# Altium PCB PCB.PcbDoc (part 4 of 10) (continued)
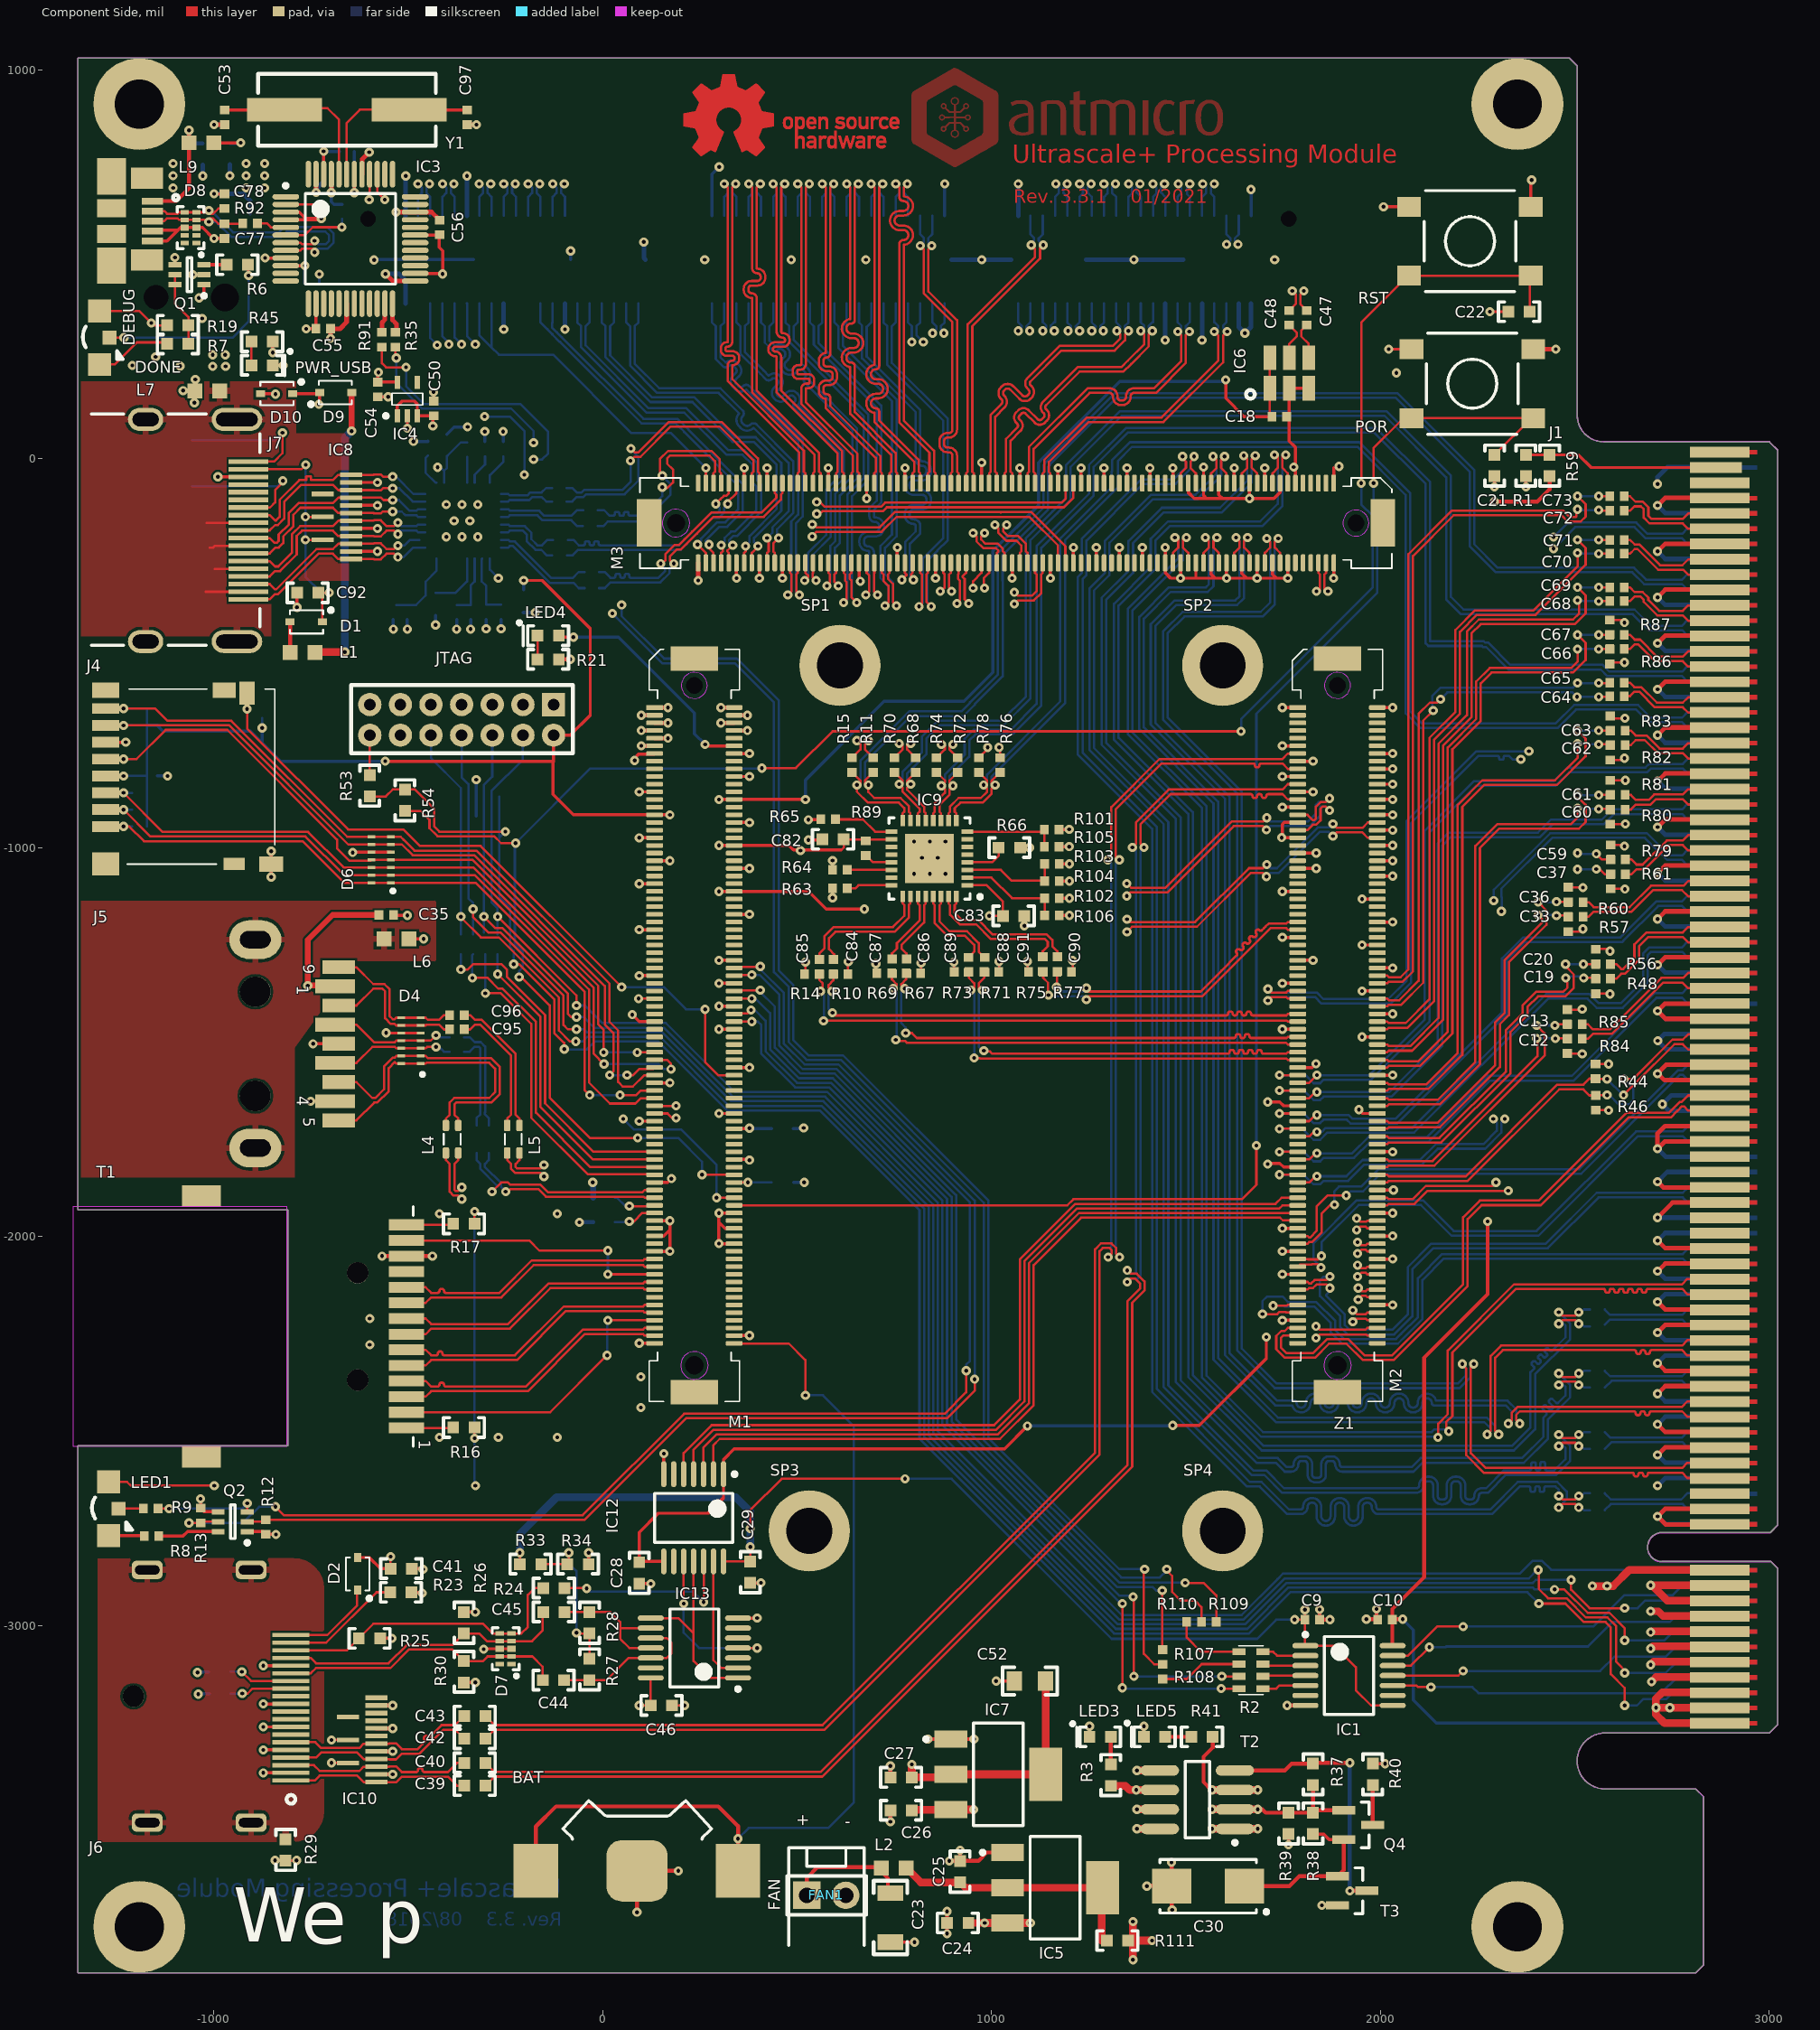
[diagram p0: Component Side view]
## Nets (pads, with @x,y where several pads share a name; then routed paths per layer and width w, separated by ;. In a path a pad name is that pad's centre, name@x,y a point inside that pad or via, vN(x,y) a via of type N, cw(c..) or ccw(c..) an arc to the next point about the centre after c; other vN are vias at no path point) (continued)
  other v1: -539.37,-3381.89 -872.05,-3377.95 -872.05,-3318.9 -539.37,-3263.78 -872.05,-3259.84 -539.37,-3204.72 -872.05,-3102.36 2582.68,-2897.64 -419.29,-2515.75 -267.72,-2515.75 -116.14,-2515.75 98.43,-2438.98 98.43,-2360.24 -598.43,-2277.56 -598.43,-2210.24 -419.29,-1940.94 -116.14,-1940.94 1710.15,-1812.99 378,-1803 517,-1720 2712.6,-1580.71 -460,-1234.25 801.18,-1066.93 841.54,-1066.93 881.89,-1066.93 821.36,-1025.59 861.71,-1025.59 801.18,-984.25 841.54,-984.25 881.89,-984.25 1746,-974 663.02,-314.96 -401.57,-200.79 -361.22,-200.79 -320.87,-200.79 -381.4,-159.45 -341.04,-159.45 -401.57,-118.11 -361.22,-118.11 -320.87,-118.11 1777.16,-21.65 1893.7,-19.69 2041.34,220.47 -1029.53,360.24 262.97,511.58 485.24,511.55 677.17,511.55 1728.35,511.55 -1104,696 -916,696 -868.41,696 -348.43,726.96 -1104,727.5 -916,727.5 -868.41,727.5 -1104,759 -916,759 -868.41,759
GT0_DP_TX_C_N: C43.2 IC10.6 J6.6 | length 509
  Component Side w5.91: J6.6@-801.18,-3299.21 -738.19,-3299.21 -723.43,-3313.98 -625.02,-3313.98 -614.19,-3303.15 IC10.6@-581.69,-3303.15 -548.92,-3303.15 -547.93,-3302.17 -530.81,-3302.17 -516.04,-3316.93 -475.36,-3316.93 -471.19,-3312.75 -462.84,-3304.4 -457.8,-3299.36 ccw(c-461.11,-3296.05) -457.8,-3292.74 cw(c-454.04,-3288.98) -457.8,-3285.22 -456.96,-3284.39 cw(c-453.2,-3288.14) -449.45,-3284.39 ccw(c-446.13,-3281.07) -442.82,-3284.39 -439.45,-3281.02 -413.63,-3255.19 -379.19,-3255.19 C43.2@-355.93,-3231.93
GT0_DP_TX_C_P: C42.2 IC10.4 J6.4 | length 499.2
  Component Side w5.91: J6.4@-801.18,-3338.58 -736.22,-3338.58 -723.43,-3325.79 -630.92,-3325.79 -614.19,-3342.52 IC10.4@-581.69,-3342.52 -548.92,-3342.52 -547.93,-3343.5 -530.81,-3343.5 -516.04,-3328.74 -470.47,-3328.74 -408.73,-3267 -379.19,-3267 C42.2@-355.93,-3290.26
GT0_DP_TX_N: C43.1 M2.17 | length 4188.4
  Component Side w5.91: C43.1@-300.93,-3231.93 -277.66,-3255.19 565.81,-3255.19 1266.19,-2554.81 1266.19,-2032.11 1281.11,-2017.19 1308.75,-2017.19 1320.67,-2029.11 1320.67,-2043.14 v1(1329.53,-2052) ; v1@1319.88,-1027.06 1323.82,-1031 v1(1328.74,-1031) 1319.88,-1022.14 1319.88,-900.59 1437.01,-783.46 1673.23,-783.46 cw(c1673.23,-787.4) 1677.17,-787.4 1677.17,-788.15 ccw(c1682.48,-788.15) 1682.48,-793.46 1683.66,-793.46 ccw(c1683.66,-788.15) 1688.98,-788.15 cw(c1693.66,-788.15) 1693.66,-783.46 1748.01,-783.46 1761.79,-797.24 M2.17@1787.4,-797.24
  Solder Side w5.91: v1(1328.74,-1031) 1319.88,-1039.86 1319.88,-1937.33 1319.88,-2042.35 v1(1329.53,-2052)
GT0_DP_TX_P: C42.1 M2.13 | length 4165.6
  Component Side w5.91: C42.1@-300.93,-3290.26 -277.66,-3267 570.7,-3267 1278,-2559.7 1278,-2037 1286,-2029 1303.86,-2029 1308.86,-2034 1308.86,-2043.14 v1(1300,-2052) ; v1(1299.21,-1031) 1308.07,-1022.14 1308.07,-895.7 1432.12,-771.65 1748.01,-771.65 1761.79,-757.87 M2.13@1787.4,-757.87
  Solder Side w5.91: v1(1299.21,-1031) 1308.07,-1039.86 1308.07,-1932.44 1308.07,-2043.93 v1(1300,-2052)
GT1_DP_TX_C_N: C40.2 IC10.3 J6.3 | length 483.5
  Component Side w5.91: J6.3@-801.18,-3358.27 -742.13,-3358.27 -727.36,-3373.03 -625.02,-3373.03 -614.19,-3362.2 IC10.3@-581.69,-3362.2 -548.92,-3362.2 -547.93,-3361.22 -530.81,-3361.22 -516.04,-3375.98 -480.32,-3375.98 -479.09,-3375.98 ccw(c-479.09,-3371.3) -474.41,-3371.3 cw(c-469.09,-3371.3) -469.09,-3365.98 -467.91,-3365.98 cw(c-467.91,-3371.3) -462.6,-3371.3 ccw(c-457.91,-3371.3) -457.91,-3375.98 -431.1,-3375.98 -397.49,-3375.98 -374.04,-3352.53 C40.2@-355.93,-3352.53
GT1_DP_TX_C_P: C39.2 IC10.1 J6.1 | length 473.6
  Component Side w5.91: J6.1@-801.18,-3397.64 -740.16,-3397.64 -727.36,-3384.84 -630.92,-3384.84 -614.19,-3401.57 IC10.1@-581.69,-3401.57 -548.92,-3401.57 -547.93,-3402.56 -530.81,-3402.56 -516.04,-3387.8 -397.11,-3387.8 -374.04,-3410.87 C39.2@-355.93,-3410.87
GT1_DP_TX_N: C40.1 M2.25 | length 4182.4
  Component Side w5.91: C40.1@-300.93,-3352.53 -277.66,-3375.79 560.21,-3375.79 1350,-2586 1350,-2165.14 1381.89,-2133.25 1381.89,-2119.89 1369,-2107 1357,-2107 1349,-2115 v1(1349,-2115.86) ; v1(1392,-999) 1383.14,-990.14 1383.14,-939.86 1460.8,-862.2 1666.57,-862.2 cw(c1666.57,-866.89) 1671.26,-866.89 ccw(c1676.57,-866.89) 1676.57,-872.2 1677.76,-872.2 ccw(c1677.76,-866.89) 1683.07,-866.89 cw(c1687.76,-866.89) 1687.76,-862.2 1690.2,-862.2 cw(c1690.2,-866.89) 1694.88,-866.89 ccw(c1700.2,-866.89) 1700.2,-872.2 1701.38,-872.2 ccw(c1701.38,-866.89) 1706.69,-866.89 cw(c1711.38,-866.89) 1711.38,-862.2 1748.01,-862.2 1761.79,-875.98 M2.25@1787.4,-875.98
  Solder Side w5.91: v1(1349,-2115.86) 1357.86,-2107 1375.89,-2107 1383.14,-2099.75 1383.14,-2094.86 1383.14,-1960 1383.14,-1007.86 v1(1392,-999)
GT1_DP_TX_P: C39.1 M2.21 | length 4198.7
  Component Side w5.91: C39.1@-300.93,-3410.87 -277.66,-3387.6 565.1,-3387.6 1361.81,-2590.89 1361.81,-2170.03 1393.7,-2138.14 1393.7,-2115 1373.89,-2095.19 1357,-2095.19 1349,-2087.19 v1(1349,-2086.33) ; v1(1362.47,-999) 1371.33,-990.14 1371.33,-934.97 1455.9,-850.39 1748.01,-850.39 1761.79,-836.61 M2.21@1787.4,-836.61
  Solder Side w5.91: v1(1349,-2086.33) 1357.86,-2095.19 1371,-2095.19 1371.33,-2094.86 1371.33,-1960 1371.33,-1007.86 v1(1362.47,-999)
HDMI_OUT_CLK_N: IC2.16 IC8.12 J7.12 | length 567.7
  Component Side w5.91: J7.12@-910.08,-145.09 -855.67,-145.09 -841.89,-158.87 -839.52,-158.87 -830.05,-149.4 -830.05,-105.64 -779.53,-55.12 -762.99,-55.12 ccw(c-762.99,-53.94) -761.81,-53.94 -761.81,-46.3 cw(c-760.63,-46.3) -760.63,-45.12 -751.18,-45.12 cw(c-751.18,-46.3) -750,-46.3 -750,-53.94 ccw(c-748.82,-53.94) -748.82,-55.12 -692.93,-55.12 -679.15,-41.34 IC8.12@-646.65,-41.34 -588.29,-41.34 -587.3,-40.35 -570.18,-40.35 -564.27,-46.26 v1@-545.28,-46.26
  Solder Side w5.91: v1(-539.37,-46.26) -530.51,-46.26 -486.22,-90.55 IC2.16@-455.71,-90.55
HDMI_OUT_CLK_P: IC2.15 IC8.10 J7.10 | length 551.5
  Component Side w5.91: J7.10@-910.08,-184.46 -855.67,-184.46 -841.89,-170.69 -834.63,-170.69 -818.24,-154.3 -818.24,-110.54 -774.64,-66.93 -692.93,-66.93 -679.15,-80.71 IC8.10@-646.65,-80.71 -588.29,-80.71 -587.3,-81.69 -570.18,-81.69 -564.27,-75.79 v1@-545.28,-75.79
  Solder Side w5.91: v1@-545.28,-75.79 v1(-539.37,-75.79) -522.64,-75.79 -488.19,-110.24 IC2.15@-455.71,-110.24
HDMI_OUT_D0_N: IC2.14 IC8.9 J7.9 | length 550.5
  Component Side w5.91: J7.9@-910.08,-204.15 -855.67,-204.15 -843.56,-216.26 -837.82,-216.26 -832.62,-211.06 -832.62,-194.88 -806.43,-168.69 -806.43,-139.11 -781.5,-114.17 -692.93,-114.17 -679.15,-100.39 IC8.9@-646.65,-100.39 -588.29,-100.39 -587.3,-99.41 -570.18,-99.41 -563.29,-106.3 v1(-539.37,-106.3) v1@-532.15,-106.3
  Solder Side w5.91: v1@-532.15,-106.3 -523.62,-106.3 -496.06,-133.86 -478.37,-133.86 -474.43,-129.92 IC2.14@-455.71,-129.92
HDMI_OUT_D0_P: IC2.13 IC8.7 J7.7 | length 544.2
  Component Side w5.91: J7.7@-910.08,-243.52 -855.67,-243.52 -840.62,-228.47 -832.53,-228.47 -820.81,-216.75 -820.81,-199.78 -794.62,-173.59 -794.62,-144 -776.6,-125.98 -692.93,-125.98 -679.15,-139.76 IC8.7@-646.65,-139.76 -588.29,-139.76 -587.3,-140.75 -570.18,-140.75 -565.26,-135.83 v1(-539.37,-135.83)
  Solder Side w5.91: v1(-539.37,-135.83) -516.23,-135.83 -506.38,-145.67 -478.37,-145.67 -474.43,-149.61 IC2.13@-455.71,-149.61
HDMI_OUT_D1_N: IC2.12 IC8.6 J7.6 | length 552.2
  Component Side w5.91: J7.6@-910.08,-263.2 -855.67,-263.2 -841.89,-276.98 -833.68,-276.98 -798,-241.31 -798,-193.67 -777.56,-173.23 -692.93,-173.23 -679.15,-159.45 IC8.6@-646.65,-159.45 -588.29,-159.45 -587.3,-158.46 -570.18,-158.46 -555.41,-173.23 -536.42,-173.23 -527.56,-164.37 v1(-526.15,-164.37)
  Solder Side w5.91: v1(-526.15,-164.37) -517.3,-173.23 -478.37,-173.23 -474.43,-169.29 IC2.12@-455.71,-169.29
HDMI_OUT_D1_P: IC2.11 IC8.4 J7.4 | length 552.2
  Component Side w5.91: J7.4@-910.08,-302.57 -855.67,-302.57 -841.89,-288.8 -828.78,-288.8 -786.19,-246.2 -786.19,-198.56 -772.67,-185.04 -692.93,-185.04 -679.15,-198.82 IC8.4@-646.65,-198.82 -588.29,-198.82 -587.3,-199.8 -570.18,-199.8 -555.42,-185.04 -536.42,-185.04 v1@-527.56,-193.9
  Solder Side w5.91: v1@-527.56,-193.9 -518.7,-185.04 -478.37,-185.04 -474.43,-188.98 IC2.11@-455.71,-188.98
  other v1: -526.15,-193.9
HDMI_OUT_D2_N: IC2.10 IC8.3 J7.3 | length 510.8
  Component Side w5.91: J7.3@-910.08,-322.26 -855.67,-322.26 -841.89,-336.04 -839,-336.04 -735.24,-232.28 -705.74,-232.28 -692.93,-232.28 -679.15,-218.5 IC8.3@-646.65,-218.5 -588.29,-218.5 -587.3,-217.52 -570.18,-217.52 -555.41,-232.28 -536.42,-232.28 v1@-527.56,-223.43
  Solder Side w5.91: v1@-526.86,-224.13 -527.56,-223.43 v1(-526.15,-223.43) -509.84,-223.43 -495.08,-208.66 -470.96,-208.66
HDMI_OUT_D2_P: IC2.9 IC8.1 J7.1 | length 528.7
  Component Side w5.91: J7.1@-910.08,-361.63 -855.67,-361.63 -841.89,-347.85 -834.11,-347.85 -730.35,-244.09 -710.63,-244.09 -692.93,-244.09 -679.15,-257.87 IC8.1@-646.65,-257.87 -588.29,-257.87 -587.3,-258.86 -570.18,-258.86 -555.42,-244.09 -536.42,-244.09 v1@-527.56,-252.95
  Solder Side w5.91: v1@-527.56,-252.95 v1@-526.86,-252.25 ; v1(-526.15,-252.95) -511.3,-252.95 -486.7,-228.35 IC2.9@-455.71,-228.35
JTAG_TCK: M1.123 RA1.7 | length 870.3
  Component Side w5.91: v1(-301.18,-1374.02) -261.81,-1374.02 -183.07,-1452.76 -183.07,-1694.19 -37.69,-1839.57 -33.8,-1839.57 -33.56,-1839.33 63.76,-1839.33 64,-1839.57 132.87,-1839.57 M1.123@133.86,-1840.55
  Solder Side w5.91: v1(-301.18,-1374.02) RA1.7@-301.18,-1273.62
JTAG_TDI: M1.117 RA1.5 | length 886.7
  Component Side w5.91: v1(-364.17,-1312.99) -346.46,-1312.99 -332.68,-1299.21 -259.84,-1299.21 -246.06,-1312.99 -246.06,-1331.72 -147.64,-1430.15 -147.64,-1656.91 -23.06,-1781.5 M1.117@133.86,-1781.5
  Solder Side w5.91: v1(-364.17,-1312.99) RA1.5@-364.17,-1273.62
JTAG_TDO: M1.121 RA1.6 | length 868.2
  Component Side w5.91: v1(-334.65,-1334.65) -295.28,-1334.65 -267.72,-1362.2 -256.92,-1362.2 -171.26,-1447.86 -171.26,-1680.74 -31.13,-1820.87 M1.121@133.86,-1820.87
  Solder Side w5.91: v1(-334.65,-1334.65) -334.65,-1275.59 RA1.6@-332.68,-1273.62
JTAG_TMS: M1.119 RA1.8 | length 787.7
  Component Side w5.91: v1(-269.69,-1324.8) -159.45,-1435.04 -159.45,-1666.55 -24.82,-1801.18 M1.119@133.86,-1801.18
  Solder Side w5.91: v1(-269.69,-1324.8) RA1.8@-269.69,-1273.62
LED1_G: M1.70 Q2.2 R12.2 | length 3447.2
  Component Side w5.91: Q2.2@-913.39,-2732.28 -871.26,-2732.28 R12.2@-866.14,-2727.17 -45.85,-2727.17 214.78,-2466.54 885.83,-2466.54 956.69,-2395.67 v1(956.69,-2366.14) ; M1.70@338.58,-1307.09 339.57,-1306.1 404.52,-1306.1 v1(405.51,-1305.12)
  Solder Side w5.91: v1(405.51,-1305.12) 405.51,-1312.04 466.54,-1373.06 466.54,-1503.88 519.74,-1557.09 607.02,-1557.09 956.69,-1906.76 v1(956.69,-2366.14)
LED1_R: M1.72 Q2.5 R13.2 | length 3646.7
  Component Side w5.91: v1(-1062.99,-2735.43) R13.2@-1033.46,-2735.43 -1030.32,-2732.28 Q2.5@-988.19,-2732.28 ; v1(-840.94,-2693.9) -819.49,-2715.35 -50.75,-2715.35 209.88,-2454.72 879.92,-2454.72 935.04,-2399.61 v1(935.04,-2344.49) ; M1.72@338.58,-1326.77 v1(383.86,-1326.77)
  Solder Side w5.91: v1(-1062.99,-2735.43) -924.41,-2735.43 -882.87,-2693.9 v1@-842.52,-2693.9 ; v1(383.86,-1326.77) 403.54,-1326.77 454.72,-1377.95 454.72,-1508.77 514.85,-1568.9 602.13,-1568.9 944.88,-1911.65 944.88,-2318.9 935.04,-2328.74 v1(935.04,-2344.49)
LVDS_CLK_S1_N: J2.19 M3.87 | length 771.3
  Component Side w5.91: M3.87@1033.46,-62.99 1033.46,-37.41 1037.4,-33.48 1037.4,51.1 1066.01,79.72 ccw(c1060.73,85.01) 1068.21,85.01 ccw(c1060.73,85.01) 1066.01,90.3 1064.07,92.25 cw(c1077.71,105.89) 1064.07,119.53 1068.8,124.26 cw(c1082.44,110.62) 1096.08,124.26 1118.91,101.43 ccw(c1124.2,106.72) 1129.49,101.43 1134.22,106.16 ccw(c1128.93,111.45) 1136.41,111.45 ccw(c1128.93,111.45) 1134.22,116.74 1132.27,118.69 cw(c1145.91,132.33) 1132.27,145.97 1221.71,235.41 1334.13,235.41 1350.67,251.95 1392.72,294 1392.72,319.88 v1(1383.86,328.74)
  Solder Side w5.91: v1(1383.86,328.74) 1392.72,337.6 1392.72,341.58 1383.92,350.38 J2.19@1383.92,399.02
LVDS_CLK_S1_P: J2.17 M3.85 | length 773.4
  Component Side w5.91: M3.85@1053.15,-62.99 1053.15,-37.41 1049.21,-33.48 1049.21,46.21 1074.37,71.37 ccw(c1060.73,85.01) 1080.02,85.01 ccw(c1060.73,85.01) 1074.37,98.65 1072.42,100.6 cw(c1077.71,105.89) 1072.42,111.18 1077.15,115.91 cw(c1082.44,110.62) 1087.73,115.91 1110.56,93.08 ccw(c1124.2,106.72) 1137.84,93.08 1142.57,97.81 ccw(c1128.93,111.45) 1148.22,111.45 ccw(c1128.93,111.45) 1142.57,125.1 1140.62,127.04 cw(c1145.91,132.33) 1140.62,137.62 1226.6,223.6 1339.02,223.6 1359.02,243.6 1404.53,289.11 1404.53,319.88 v1(1413.39,328.74)
  Solder Side w5.91: v1(1413.39,328.74) 1404.53,337.6 1404.53,341.58 1413.33,350.38 1415.41,350.38 J2.17@1415.41,399.02
LVDS_CLK_S2_N: J2.13 M3.81 | length 774.5
  Component Side w5.91: M3.81@1092.52,-62.99 1092.52,-38.02 1096.46,-34.08 1096.46,30.16 1247.3,181 1303.14,181 cw(c1303.14,160.04) 1324.1,160.04 1324.1,158.66 ccw(c1333.26,158.66) 1333.26,149.5 1336.6,149.5 ccw(c1336.6,158.66) 1345.76,158.66 1345.76,160.04 cw(c1366.72,160.04) 1366.72,181 1418,181 1488.09,251.09 1488.09,317.91 v1(1479,327)
  Solder Side w5.91: J2.13@1478.41,399.02 1478.41,350.98 1488.09,341.3 1488.09,336.09 v1(1479,327)
LVDS_CLK_S2_P: J2.11 M3.79 | length 774.7
  Component Side w5.91: M3.79@1112.2,-62.99 1112.2,-38.02 1108.27,-34.08 1108.27,25.27 1252.19,169.19 1303.14,169.19 cw(c1303.14,160.04) 1312.29,160.04 1312.29,158.66 ccw(c1333.26,158.66) 1333.26,137.69 1336.6,137.69 ccw(c1336.6,158.66) 1357.57,158.66 1357.57,160.04 cw(c1366.72,160.04) 1366.72,169.19 1422.89,169.19 1499.91,246.2 1499.91,317.91 v1(1509,327)
  Solder Side w5.91: v1(1509,327) 1499.91,336.09 1499.91,341 1509.89,350.98 J2.11@1509.9,399.02
LVDS_S1_CTRL_N: J2.78 M3.141 | length 987.2
  Component Side w5.91: v1(312.99,706.69) 321.85,697.83 321.85,300.87 cw(c320.67,300.87) 320.67,299.69 ccw(c320.67,283.15) 304.13,283.15 304.13,280.79 ccw(c320.67,280.79) 320.67,264.26 334.84,264.26 cw(c334.84,259.53) 339.57,259.53 339.57,257.17 cw(c334.84,257.17) 334.84,252.45 ccw(c334.84,239.45) 321.85,239.45 321.85,199.8 505.91,15.75 505.91,-33.48 501.97,-37.41 M3.141@501.97,-62.99
  Solder Side w5.91: J2.78@312.93,624.61 312.93,673.21 321.85,682.13 321.85,697.83 v1(312.99,706.69)
LVDS_S1_CTRL_P: J2.76 M3.139 | length 988
  Component Side w5.91: v1(342.52,706.69) 333.66,697.83 333.66,300.87 cw(c320.67,300.87) 320.67,287.88 ccw(c320.67,283.15) 315.94,283.15 315.94,280.79 ccw(c320.67,280.79) 320.67,276.07 334.84,276.07 cw(c334.84,259.53) 351.38,259.53 351.38,257.17 cw(c334.84,257.17) 334.84,240.64 ccw(c334.84,239.45) 333.66,239.45 333.66,204.7 517.72,20.64 517.72,-33.48 521.65,-37.41 M3.139@521.65,-62.99
  Solder Side w5.91: v1(342.52,706.69) 333.66,697.83 333.66,683.98 344.43,673.21 J2.76@344.43,624.61
LVDS_S1_D1_N: J2.75 M3.140 | length 986.7
  Component Side w5.91: v1(519.68,-312.99) 528.54,-304.13 528.54,-300.21 521.65,-293.32 M3.140@521.65,-267.72
  Solder Side w5.91: J2.75@344.43,399.02 344.43,350.38 351.36,343.45 354.27,340.54 354.27,269.74 405.76,218.26 419.26,204.75 ccw(c427.33,212.83) 435.41,204.75 cw(c441.25,198.91) 447.1,204.75 449.33,202.53 cw(c443.48,196.68) 451.75,196.68 cw(c443.48,196.68) 449.33,190.84 441.53,183.04 ccw(c455.73,168.84) 441.53,154.64 443.76,152.42 ccw(c457.96,166.62) 472.15,152.42 479.95,160.21 cw(c485.8,154.37) 491.64,160.21 493.87,157.99 cw(c488.02,152.14) 496.29,152.14 cw(c488.02,152.14) 493.87,146.29 ccw(c501.94,138.22) 493.87,130.15 608.27,15.75 608.27,-46.29 574.8,-79.75 574.8,-196.2 528.54,-242.46 528.54,-304.13 v1(519.68,-312.99)
LVDS_S1_D1_P: J2.73 M3.138 | length 992.9
  Component Side w5.91: v1@540.86,-306.61 v1@547.24,-312.99 ; M3.138@541.34,-267.72 541.34,-293.32 540.35,-294.3 540.35,-304.13 v1(549.21,-312.99)
  Solder Side w5.91: J2.73@375.92,399.02 375.92,350.38 366.08,340.54 366.08,274.64 414.11,226.61 427.34,213.38 cw(c441.25,198.91) 455.45,213.11 457.68,210.88 cw(c443.48,196.68) 463.56,196.68 cw(c443.48,196.68) 457.68,182.48 449.88,174.69 ccw(c455.73,168.84) 449.88,163 452.11,160.77 ccw(c457.96,166.62) 463.8,160.77 471.6,168.56 cw(c485.8,154.37) 499.99,168.56 502.22,166.34 cw(c488.02,152.14) 508.1,152.14 cw(c488.02,152.14) 502.5,138.22 620.08,20.64 620.08,-51.18 586.61,-84.65 586.61,-201.09 540.35,-247.35 540.35,-304.13 v1(549.21,-312.99)
LVDS_S1_D2_N: J2.74 M3.137 | length 986.7
  Component Side w5.91: v1(375.98,706.69) 384.84,697.83 384.84,489.95 ccw(c398.23,489.95) 398.23,476.56 cw(c398.23,468.29) 406.5,468.29 406.5,465.14 cw(c398.23,465.14) 398.23,456.88 383.27,456.88 ccw(c383.27,436.8) 363.19,436.8 363.19,433.65 ccw(c383.27,433.65) 383.27,413.57 cw(c383.27,411.99) 384.84,411.99 384.84,170.22 545.28,9.78 545.28,-33.48 541.34,-37.41 M3.137@541.34,-62.99
  Solder Side w5.91: J2.74@375.92,624.61 375.92,673.21 384.84,682.13 384.84,697.83 v1(375.98,706.69)
LVDS_S1_D2_P: J2.72 M3.135 | length 987.5
  Component Side w5.91: v1(405.51,706.69) 396.65,697.83 396.65,489.95 ccw(c398.23,489.95) 398.23,488.37 cw(c398.23,468.29) 418.31,468.29 418.31,465.14 cw(c398.23,465.14) 398.23,445.06 383.27,445.06 ccw(c383.27,436.8) 375,436.8 375,433.65 ccw(c383.27,433.65) 383.27,425.38 cw(c383.27,411.99) 396.65,411.99 396.65,175.11 557.09,14.68 557.09,-33.48 561.02,-37.41 M3.135@561.02,-62.99
  Solder Side w5.91: v1(405.51,706.69) 396.65,697.83 396.65,683.98 407.42,673.21 J2.72@407.42,624.61
LVDS_S1_D3_N: J2.83 M3.150 | length 984.2
  Component Side w5.91: v1(423.17,-203.77) 427.17,-207.77 427.17,-238.2 423.23,-242.14 M3.150@423.23,-267.72
  Solder Side w5.91: J2.83@60.96,399.02 60.96,350.38 70.81,340.54 70.81,239.26 140.78,169.29 298.26,169.29 351.12,116.43 ccw(c369.06,99.74) 351.73,82.41 354.66,79.49 ; 354.66,79.49 ccw(c371.99,96.82) 388.68,78.87 478.35,-10.8 478.35,-134.87 437.01,-176.21 437.01,-189.93 v1(423.17,-203.77)
LVDS_S1_D3_P: J2.81 M3.148 | length 984.9
  Component Side w5.91: M3.148@442.91,-267.72 442.91,-242.14 438.98,-238.2 438.98,-217.55 v1(452.76,-203.77)
  Solder Side w5.91: J2.81@92.46,399.02 92.46,350.38 82.62,340.54 82.62,244.15 145.67,181.1 303.15,181.1 360.09,124.16 ; 360.08,124.17 cw(c352.36,116.44) 363.28,116.44 cw(c352.36,116.44) 360.08,108.72 ccw(c369.06,99.74) 360.08,90.76 363.01,87.84 ccw(c371.99,96.82) 380.96,87.84 cw(c388.69,80.11) 396.41,87.84 490.16,-5.91 490.16,-139.76 448.82,-181.1 448.82,-199.83 v1(452.76,-203.77)
LVDS_S1_D4_N: J2.79 M3.144 | length 989
  Component Side w5.91: v1(476.38,-350.39) 486.22,-340.55 486.22,-297.26 482.28,-293.32 M3.144@482.28,-267.72
  Solder Side w5.91: J2.79@281.44,399.02 281.44,350.38 291.28,340.54 291.28,255.96 309.16,238.09 ccw(c316.67,245.61) 324.19,238.09 cw(c330.59,231.69) 336.99,238.09 342.28,232.8 cw(c335.88,226.4) 344.94,226.4 cw(c335.88,226.4) 342.28,219.99 335.6,213.31 ccw(c350.36,198.56) 335.6,183.8 340.89,178.51 ccw(c355.65,193.27) 369.54,177.7 502.91,44.34 502.91,-143.72 485.24,-161.39 485.24,-341.54 v1(476.38,-350.39)
LVDS_S1_D4_P: J2.77 M3.142 | length 980.6
  Component Side w5.91: M3.142@501.97,-267.72 501.97,-293.32 498.03,-297.26 498.03,-342.52 v1(505.91,-350.39)
  Solder Side w5.91: J2.77@312.93,399.02 312.93,350.38 303.09,340.54 303.09,260.86 316.7,247.25 cw(c330.59,231.69) 345.35,246.44 350.64,241.15 cw(c335.88,226.4) 356.75,226.4 cw(c335.88,226.4) 350.64,211.64 343.95,204.96 ccw(c350.36,198.56) 343.95,192.15 349.24,186.87 ccw(c355.65,193.27) 362.05,186.87 cw(c369.57,179.35) 377.08,186.87 514.72,49.23 514.72,-148.61 497.05,-166.28 v1@497.05,-346.43
LVDS_S1_D5_N: J2.70 M3.131 | length 987.1
  Component Side w5.91: v1(438.98,706.69) 447.83,697.83 447.83,326.77 ccw(c463.58,326.77) 463.58,311.02 cw(c463.58,305.12) 469.49,305.12 cw(c463.58,305.12) 463.58,299.21 443.9,299.21 ccw(c443.9,281.5) 426.18,281.5 ccw(c443.9,281.5) 443.9,263.78 cw(c443.9,259.84) 447.83,259.84 447.83,170.28 604.33,13.78 604.33,-33.48 600.39,-37.41 M3.131@600.39,-62.99
  Solder Side w5.91: J2.70@438.92,624.61 438.92,673.21 447.83,682.13 447.83,697.83 v1(438.98,706.69)
LVDS_S1_D5_P: J2.68 M3.129 | length 987.9
  Component Side w5.91: v1(468.5,706.69) 459.65,697.83 459.65,326.77 ccw(c463.58,326.77) 463.58,322.83 cw(c463.58,305.12) 481.3,305.12 cw(c463.58,305.12) 463.58,287.4 443.9,287.4 ccw(c443.9,281.5) 437.99,281.5 ccw(c443.9,281.5) 443.9,275.59 cw(c443.9,259.84) 459.65,259.84 459.65,175.17 616.14,18.67 616.14,-33.48 620.08,-37.41 M3.129@620.08,-62.99
  Solder Side w5.91: v1(468.5,706.69) 459.65,697.83 459.65,683.98 470.41,673.21 J2.68@470.41,624.61
LVDS_S1_D6_N: J2.63 M3.124 | length 986.9
  Component Side w5.91: v1(677.17,-350.39) 686.02,-341.54 686.02,-300.21 679.13,-293.32 M3.124@679.13,-267.72
  Solder Side w5.91: J2.63@533.41,399.02 533.41,350.38 543.25,340.54 543.25,293.37 704.72,131.89 704.72,-107.96 686.02,-126.66 686.02,-147.91 ccw(c700.69,-147.91) 700.69,-162.57 cw(c700.69,-173.5) 711.61,-173.5 711.61,-177.24 cw(c700.69,-177.24) 700.69,-188.16 683.17,-188.16 ccw(c683.17,-210.9) 660.43,-210.9 660.43,-214.64 ccw(c683.17,-214.64) 683.17,-237.38 cw(c683.17,-240.23) 686.02,-240.23 686.02,-341.54 v1(677.17,-350.39)
LVDS_S1_D6_P: J2.61 M3.122 | length 984.5
  Component Side w5.91: M3.122@698.82,-267.72 698.82,-293.32 697.83,-294.3 697.83,-341.54 v1(706.69,-350.39)
  Solder Side w5.91: J2.61@564.9,399.02 564.9,350.38 555.06,340.54 555.06,298.26 716.54,136.78 716.54,-112.85 697.83,-131.56 697.83,-147.91 ccw(c700.69,-147.91) 700.69,-150.76 cw(c700.69,-173.5) 723.43,-173.5 723.43,-177.24 cw(c700.69,-177.24) 700.69,-199.98 683.17,-199.98 ccw(c683.17,-210.9) 672.24,-210.9 672.24,-214.64 ccw(c683.17,-214.64) 683.17,-225.57 cw(c683.17,-240.23) 697.83,-240.23 697.83,-341.54 v1(706.69,-350.39)
LVDS_S1_D7_N: J2.71 M3.134 | length 986.5
  Component Side w5.91: v1(576.77,-326.77) 584.65,-318.9 584.65,-297.26 580.71,-293.32 M3.134@580.71,-267.72
  Solder Side w5.91: J2.71@407.42,399.02 407.42,350.38 417.26,340.54 417.26,298.32 436.46,279.12 ccw(c442.66,285.31) 448.85,279.12 cw(c456.58,271.39) 464.3,279.12 466.95,276.47 cw(c459.22,268.75) 470.15,268.75 cw(c459.22,268.75) 466.95,261.02 462.91,256.99 ccw(c478.99,240.91) 462.91,224.83 465.55,222.19 ccw(c481.63,238.27) 497.71,222.19 501.74,226.22 cw(c509.47,218.5) 517.19,226.22 519.84,223.58 cw(c512.11,215.85) 523.04,215.85 cw(c512.11,215.85) 519.84,208.13 ccw(c526.03,201.94) 519.84,195.74 642.29,73.29 642.29,-45.67 598.43,-89.54 598.43,-211.57 585.63,-224.37 585.63,-317.91 v1(576.77,-326.77)
LVDS_S1_D7_P: J2.69 M3.132 | length 985.1
  Component Side w5.91: M3.132@600.39,-267.72 600.39,-293.32 596.46,-297.26 596.46,-316.93 v1(606.3,-326.77)
  Solder Side w5.91: J2.69@438.92,399.02 438.92,350.38 429.07,340.54 429.07,303.21 442.8,289.48 cw(c456.58,271.39) 472.65,287.47 475.3,284.83 cw(c459.22,268.75) 481.96,268.75 cw(c459.22,268.75) 475.3,252.67 471.26,248.64 ccw(c478.99,240.91) 471.26,233.18 473.91,230.54 ccw(c481.63,238.27) 489.36,230.54 493.39,234.58 cw(c509.47,218.5) 525.55,234.58 528.19,231.93 cw(c512.11,215.85) 534.85,215.85 cw(c512.11,215.85) 530.2,202.08 654.11,78.18 654.11,-50.56 610.24,-94.43 610.24,-216.47 597.44,-229.26 597.44,-317.91 v1(606.3,-326.77)
LVDS_S1_D8_N: J2.87 M3.156 | length 983.4
  Component Side w5.91: M3.156@364.17,-267.72 364.17,-242.14 368.11,-238.2 v1(368.11,-224.41)
  Solder Side w5.91: J2.87@-2.03,399.02 -2.03,350.38 7.81,340.54 7.81,260.92 123.06,145.67 231.33,145.67 333.69,43.31 388.81,43.31 447.83,-15.72 447.83,-128.88 377.95,-198.76 377.95,-214.57 v1(368.11,-224.41)
LVDS_S1_D8_P: J2.85 M3.154 | length 991.2
  Component Side w5.91: M3.154@383.86,-267.72 383.86,-242.14 399.61,-226.39 v1(399.61,-224.41) v1@396.69,-224.41
  Solder Side w5.91: J2.85@29.47,399.02 29.47,350.38 19.63,340.54 19.63,265.81 127.95,157.48 236.22,157.48 338.58,55.12 393.7,55.12 459.65,-10.83 459.65,-133.77 389.76,-203.65 389.76,-214.57 v1(399.61,-224.41)
LVDS_S1_D9_N: J2.51 M3.110 | length 985
  Component Side w5.91: v1(813.92,-379.92) 820.87,-372.97 820.87,-297.26 816.93,-293.32 M3.110@816.93,-267.72
  Solder Side w5.91: J2.51@722.38,399.02 722.38,350.38 732.22,340.54 732.22,241.23 875.98,97.47 875.98,-204.2 823.32,-256.87 823.32,-370.52 v1(813.92,-379.92)
LVDS_S1_D9_P: J2.49 M3.108 | length 987.3
  Component Side w5.91: M3.108@836.61,-267.72 836.61,-293.32 832.68,-297.26 832.68,-367.19 v1(845.41,-379.92)
  Solder Side w5.91: J2.49@753.88,399.02 753.88,350.38 744.03,340.54 744.03,246.12 887.8,102.36 887.8,-209.1 860.29,-236.6 860.29,-237.6 835.63,-262.26 835.63,-370.14 v1(845.41,-379.92)
LVDS_S1_D10_N: J2.67 M3.130 | length 982.4
  Component Side w5.91: v1(620.08,-370.08) 627.95,-362.2 627.95,-317.88 624.02,-313.95 624.02,-297.26 620.08,-293.32 M3.130@620.08,-267.72
  Solder Side w5.91: J2.67@470.41,399.02 470.41,350.38 480.26,340.54 480.26,300.29 671.26,109.28 671.26,-50.11 629.92,-91.45 629.92,-360.24 v1(620.08,-370.08)
LVDS_S1_D10_P: J2.65 M3.128 | length 985.6
  Component Side w5.91: M3.128@639.76,-267.72 639.76,-293.32 635.83,-297.26 635.83,-309.06 639.76,-312.99 639.76,-356.3 v1(653.54,-370.08)
  Solder Side w5.91: J2.65@501.91,399.02 501.91,350.38 492.07,340.54 492.07,305.18 683.07,114.17 683.07,-55 641.73,-96.34 641.73,-358.27 v1(653.54,-370.08)
LVDS_S1_D11_N: J2.59 M3.120 | length 983.4
  Component Side w5.91: M3.120@718.5,-267.72 718.5,-293.32 722.44,-297.26 722.44,-313.95 735.24,-326.74 735.24,-369.09 v1(726.38,-377.95)
  Solder Side w5.91: J2.59@596.4,399.02 596.4,350.38 606.24,340.54 606.24,285.49 744.09,147.64 744.09,-194.88 714.57,-224.41 714.57,-307.09 735.24,-327.76 735.24,-369.09 v1(726.38,-377.95)
LVDS_S1_D11_P: J2.57 M3.118 | length 983.4
  Component Side w5.91: M3.118@738.19,-267.72 738.19,-293.32 734.25,-297.26 734.25,-309.06 747.05,-321.85 747.05,-369.09 v1(755.91,-377.95)
  Solder Side w5.91: J2.57@627.89,399.02 627.89,350.38 618.05,340.54 618.05,290.38 755.91,152.53 755.91,-199.77 726.38,-229.3 726.38,-297.3 747.05,-317.97 747.05,-369.09 v1(755.91,-377.95)
LVDS_S1_D12_N: J2.66 M3.127 | length 984.8
  Component Side w5.91: v1(501.97,706.69) 510.83,697.83 510.83,242.94 cw(c508.46,242.94) 508.46,240.58 503.35,240.58 ccw(c503.35,226.4) 489.17,226.4 489.17,219.32 ccw(c503.35,219.32) 503.35,205.14 530.12,205.14 cw(c530.12,202.78) 532.48,202.78 532.48,195.7 cw(c530.12,195.7) 530.12,193.33 525,193.33 ccw(c525,179.16) 510.83,179.16 510.83,140.69 643.7,7.82 643.7,-33.48 639.76,-37.41 M3.127@639.76,-62.99
  Solder Side w5.91: J2.66@501.91,624.61 501.91,673.21 510.83,682.13 510.83,697.83 v1(501.97,706.69)
LVDS_S1_D12_P: J2.64 M3.125 | length 985.6
  Component Side w5.91: v1(531.5,706.69) 522.64,697.83 522.64,242.94 cw(c508.46,242.94) 508.46,228.77 503.35,228.77 ccw(c503.35,226.4) 500.98,226.4 500.98,219.32 ccw(c503.35,219.32) 503.35,216.96 530.12,216.96 cw(c530.12,202.78) 544.29,202.78 544.29,195.7 cw(c530.12,195.7) 530.12,181.52 525,181.52 ccw(c525,179.16) 522.64,179.16 522.64,145.58 655.51,12.71 655.51,-33.48 659.45,-37.41 M3.125@659.45,-62.99
  Solder Side w5.91: v1(531.5,706.69) 522.64,697.83 522.64,683.98 533.41,673.21 J2.64@533.41,624.61